# Altium PCB SkyLight.PcbDoc
Units mil, origin at the board's own origin, x right, y up, seen from the top; angles counter-clockwise.
Board outline 3400 x 3400 mil, 2 copper layers (Top Layer, Bottom Layer); 25 components, 18 nets, 95 pads, 3 vias.
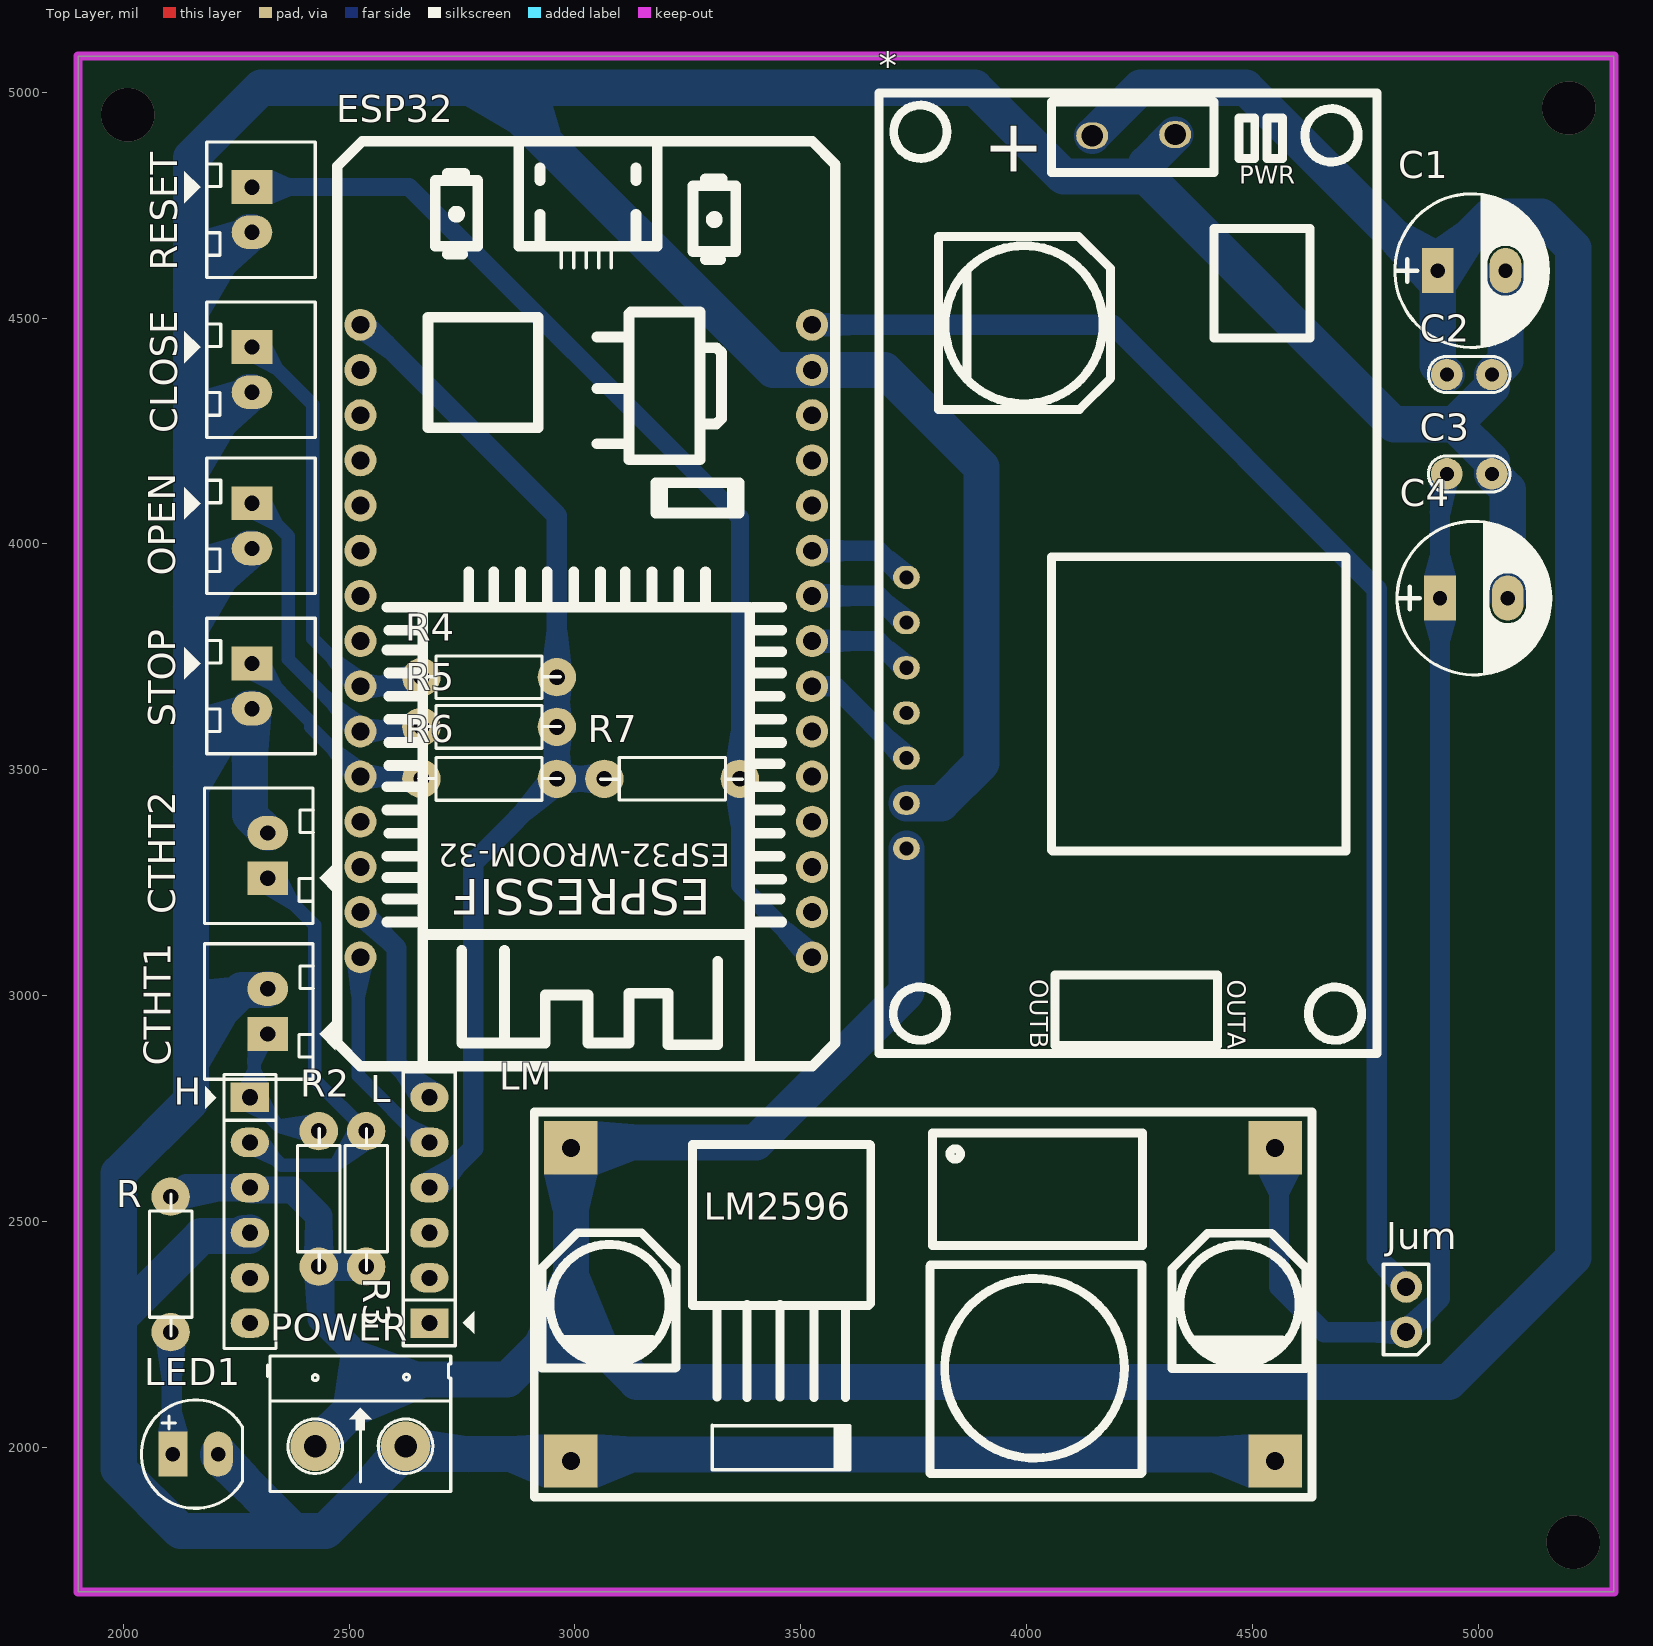
[diagram p0: Top Layer view]
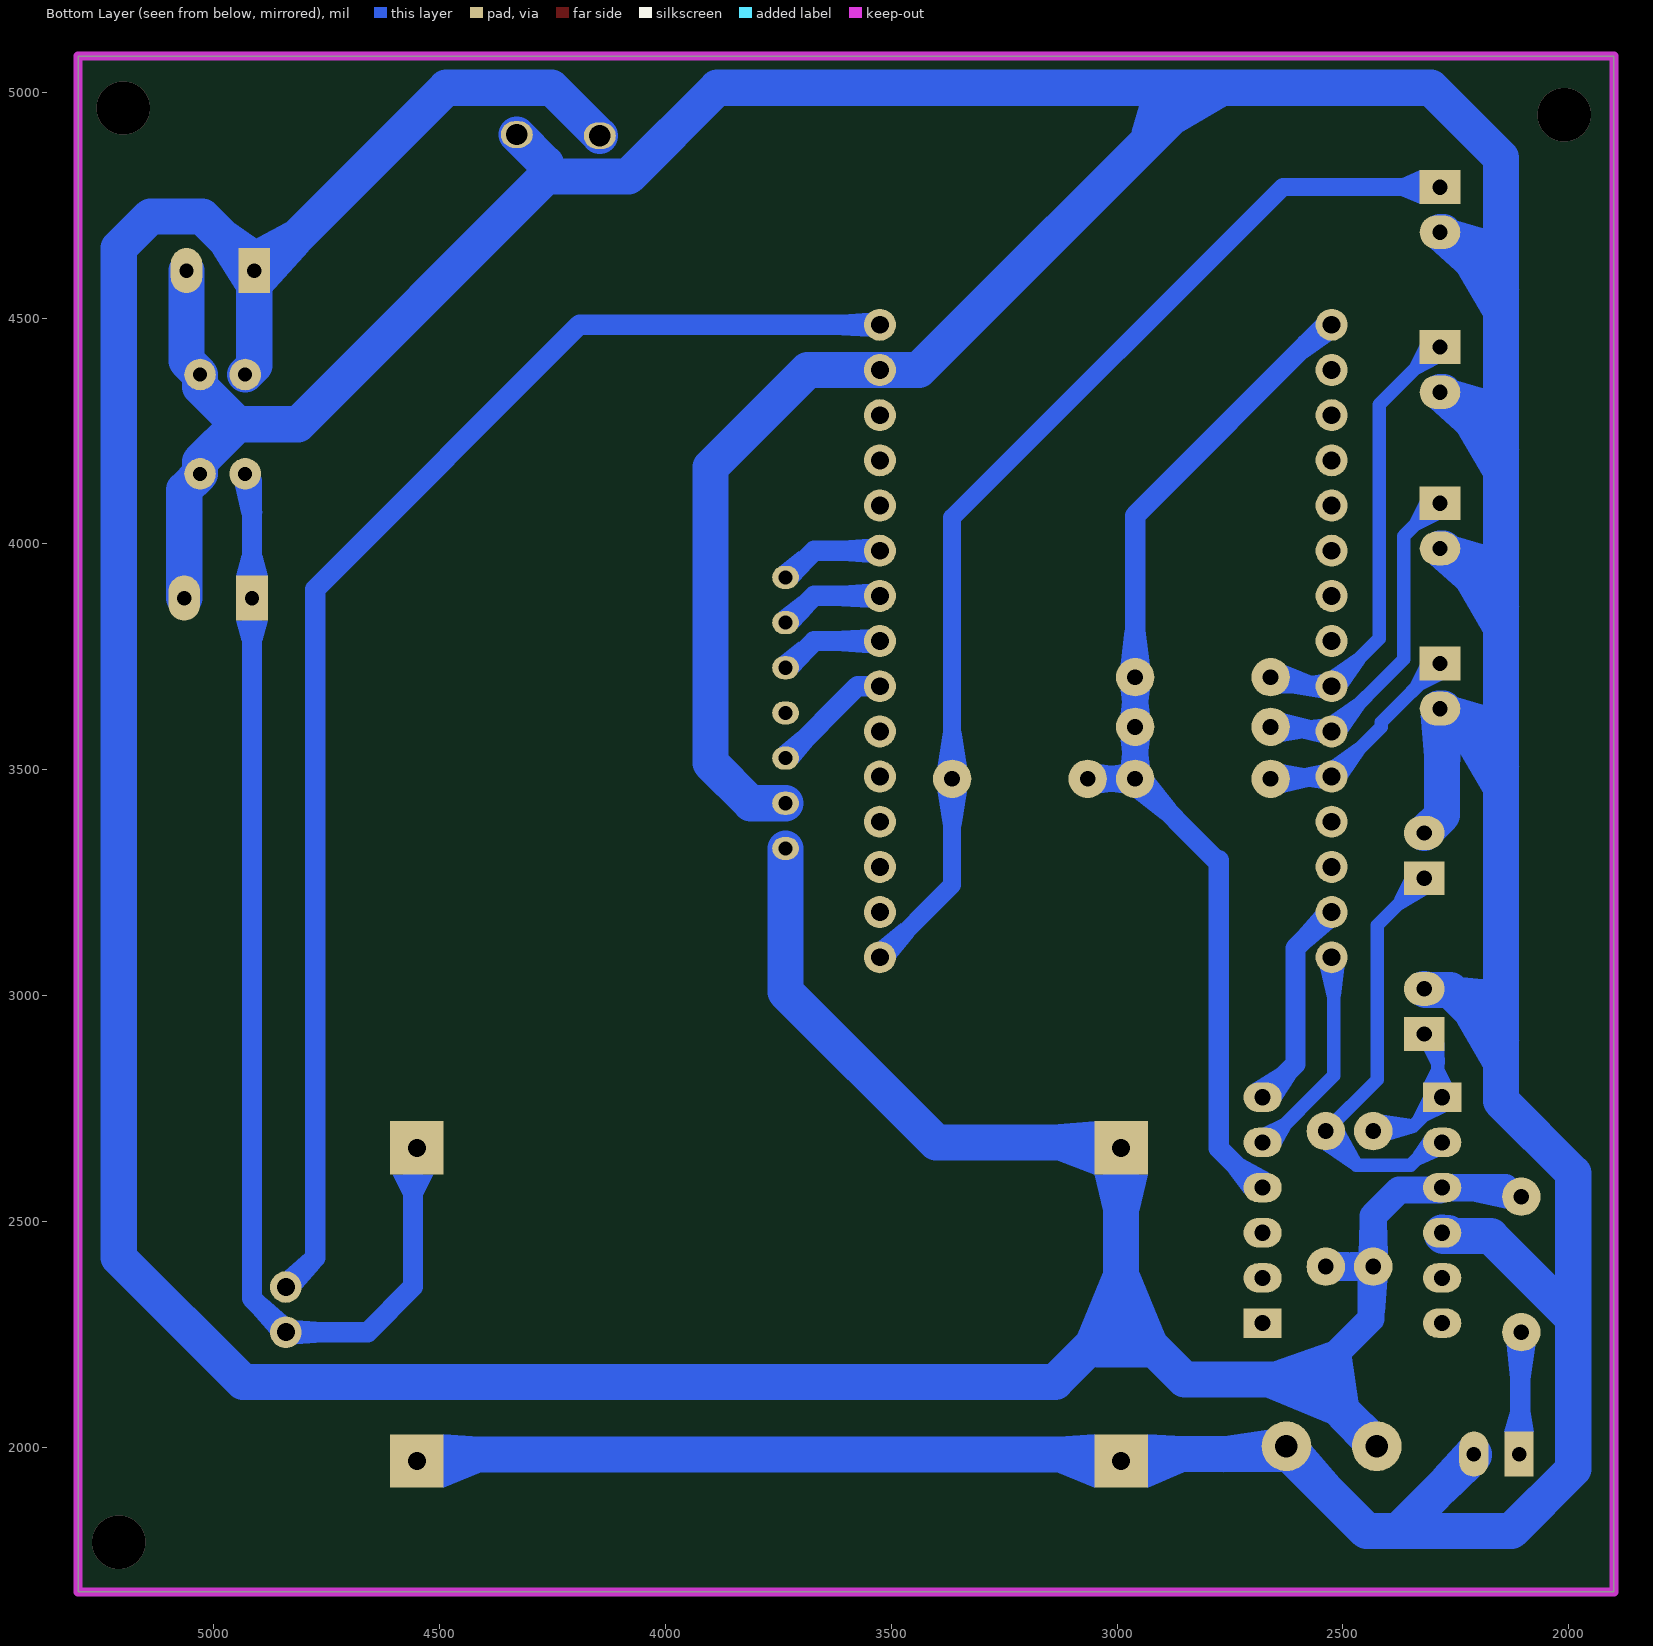
[diagram p1: Bottom Layer view, seen from below]
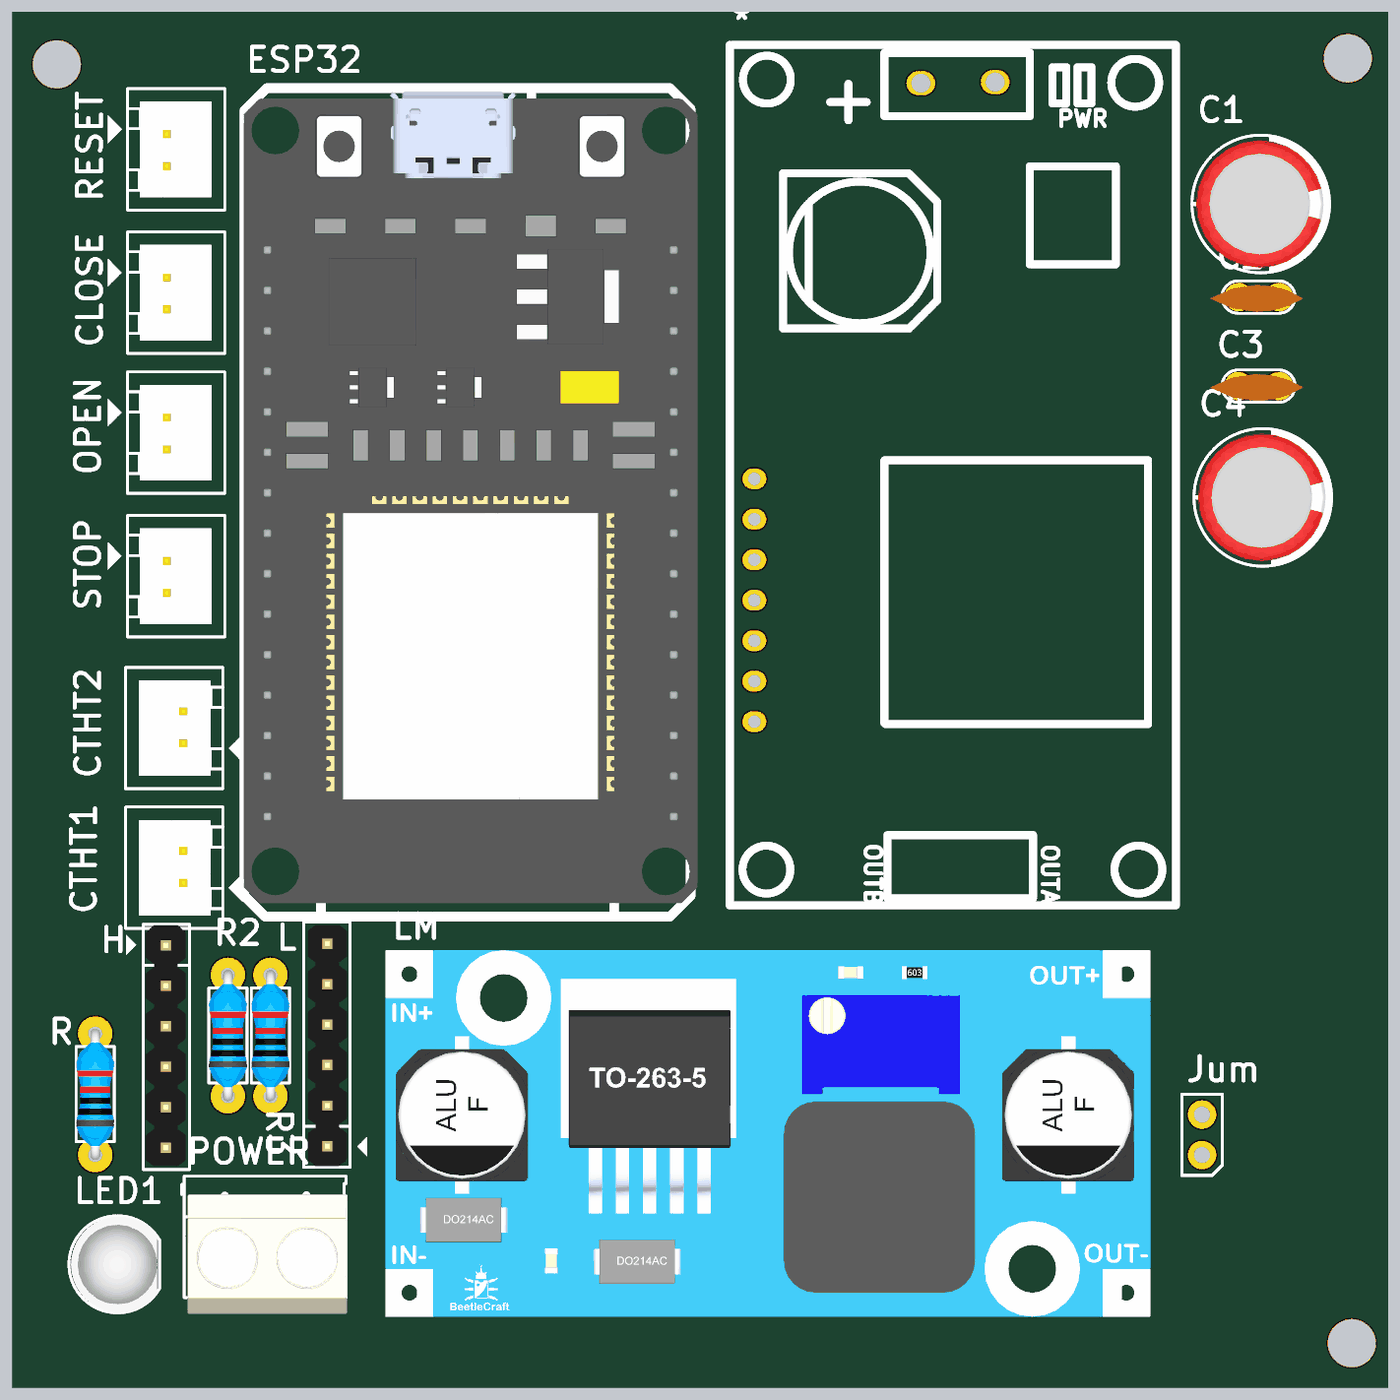
[diagram p2: 3D render of the assembled board from above, using the file's embedded part models]

## Layer stack, top to bottom
Top Solder: solder mask 0.4, Solder Resist, Dk 3.5
Top Layer: signal copper 1.4
Dielectric 1: dielectric 12.6, FR-4, Dk 4.8
Bottom Layer: signal copper 1.4
Bottom Solder: solder mask 0.4, Solder Resist, Dk 3.5

## Board outline
1900,1680 1900,5080 5300,5080 5300,1680

## Design rules (kind name [scope] priority, off if disabled: settings)
Clearance [All] p1: gap=10 ignorepadtopadclearanceinfootprint=FALSE except(0: Arc-Hole Track-Hole SMDPad-Hole THPad-Hole Via-Hole Fill-Hole Poly-Hole Region-Hole Text-Hole)
PolygonConnect [All] p1: connectstyle=Relief reliefconductorwidth=10 reliefentries=4 polygonreliefangle="90 Angle" airgapwidth=10
RoutingVias [All] p1: holewidth=28 width=50 viastyle="Through Hole" minholewidth=28 minwidth=50 maxholewidth=28 maxwidth=50
SolderMaskExpansion [All] p1: expansion=4
Width [All] p1: maxlimit=100 minlimit=10 preferedwidth=30 minimp=50.000000 maximp=50.000000 favimp=50.000000
30 further rules are at their usual default settings.

## Components (designator, comment, footprint, x,y, rotation, side; value= is the part's Value field where it differs from the comment)
* "VNH2SP30" VNH2SP30 4220,3935 r270 top
C1 "100uF/35V" CP1.5/3.4 4910,4605 r0 top value=100uF/35V/50V
C2 "100pF" CN1 5030,4375 r180 top
C3 "100pF" CN1 5030,4155 r180 top
C4 "100uF/35V" CP1.5/3.4 4915,3880 r0 top value=100uF/35V/50V
CLOSE "JP2" CON2 2285,4435.87 r270 top value="Connector 2"
CTHT1 "JP2" CON2 2320,2915 r90 top value="Connector 2"
CTHT2 "JP2" CON2 2320,3260 r90 top value="Connector 2"
ESP32 "ESP32-DEVKIT-V1-DOIT" ESP32-WROOM-32 3025,3785 r0 top
H "LG1" JP6 2280.36,2775.15 r270 top value=JP7
Jum "JP2" JP2-CLOSED 4840,2255 r180 top
L "LG2" JP6 2677.86,2275.15 r90 top value=JP7
LED1 "LED" LED-5-RED 2110,1985 r0 top value="LED 3 ly Single Colour"
LM "Mạch hạ áp" LM2596 3770.47,2316.46 r90 top
OPEN "JP2" CON2 2285,4090 r270 top value="Connector 2"
POWER "Header 2_1" HED2 2425,2002.5 r0 top value="Header 2"
R "1K" RES-1/4W-SMALL 2105,2395 r90 top
R2 "10K" RES-1/4W-SMALL 2432.86,2540.15 r90 top
R3 "10K" RES-1/4W-SMALL 2537.86,2540.15 r90 top
R4 "10K" RES-1/4W-SMALL 2820,3705 r180 top
R5 "10K" RES-1/4W-SMALL 2820,3595 r180 top
R6 "10K" RES-1/4W-SMALL 2820,3480 r180 top
R7 "10K" RES-1/4W-SMALL 3205,3480 r0 top
RESET "JP2" CON2 2285,4790 r270 top value="Connector 2"
STOP "JP2" CON2 2285,3735.43 r270 top value="Connector 2"

## Footprints (in the part's own frame and the unit in brackets; to place one, negate y for a bottom-side part, rotate by r counter-clockwise, add the part's x,y. Pads: shape width x height; smd on the part's side, far side on the other; paste and mask are expansions set on the pad)
CN1 [mil]
  round 70 hole 31: 1(0,0) 2(100,0)
  silkscreen extent -40,-40 141,40, body extent -60,-30 170,37, height 265
CON2 [mil] "CON2"
  rect 75x90 hole 34: 1(0,0)
  oval 75x90 hole 34: 2(100,0)
  silkscreen extent -100,-150 200,140, body extent -68,-70 168,107, height 236
CP1.5/3.4 [mil] "Tu hoa 220->470uF,16V, 470uF/16V,25V"
  rect 70x100 hole 32: 1(0,0)
  oval 70x100 hole 32: 2(150,0)
  silkscreen extent -95,-170 245,170, body extent -85,-157 230,157, height 446
ESP32-WROOM-32 [mm]
  round 1.8 hole 1: 1(-12.7,17.78) 2(-12.7,15.24) 3(-12.7,12.7) 4(-12.7,10.16) 5(-12.7,7.62) 6(-12.7,5.08) 7(-12.7,2.54) 8(-12.7,0) 9(-12.7,-2.54) 10(-12.7,-5.08) 11(-12.7,-7.62) 12(-12.7,-10.16) 13(-12.7,-12.7) 14(-12.7,-15.24) 15(-12.7,-17.78) 16(12.7,-17.78) 17(12.7,-15.24) 18(12.7,-12.7) 19(12.7,-10.16) 20(12.7,-7.62) 21(12.7,-5.08) 22(12.7,-2.54) 23(12.7,0) 24(12.7,2.54) 25(12.7,5.08) 26(12.7,7.62) 27(12.7,10.16) 28(12.7,12.7) 29(12.7,15.24) 30(12.7,17.78)
  silkscreen extent -14,-23.9 14,28.1, body extent -14.06,-23.06 14.44,27.87, height 10.72
HED2 [mil] "Header 2, 2 pin, hight 300mil, Pin to Pin 200, Colour Green"
  round 110 hole 50: 1(0,0) 2(200,0)
  silkscreen extent -106,-100 300,200, body extent -92,-140 302,155, height 394
JP2-CLOSED [mil]
  round 70 hole 40: 1(0,0) 2(0,-100)
  silkscreen extent -50,-150 50,50, body extent -50,-152 50,50, height 300
JP6 [mil] "JP6"
  rect 65x85 hole 36: 1(0,0)
  oval 65x85 hole 36: 2(100,0) 3(200,0) 4(300,0) 5(400,0) 6(500,0)
  silkscreen extent -50,-99 556,58, body extent -48,-50 548,48, height 323
LED-5-RED [mil] "LED 2 PIN, 5 ly , Only colour,pin to pin 100mil"
  rect 65x100 hole 32: 1(0,0)
  oval 65x100 hole 32: 2(100,0)
  silkscreen extent -70,-120 154,120, body extent -65,-119 149,118, height 339
LM2596 [mm]
  rect 3x3 hole 1: IN+(8.8,19.8) IN-(-8.8,19.8) OUT+(8.8,-19.8) OUT-(-8.8,-19.8)
  silkscreen extent -10.84,-21.88 10.82,21.86, body extent -11.7,-23.92 11.3,24.08, height 15.09
RES-1/4W-SMALL [mil]
  round 85 hole 35: 1(-140,0) 2(160,0)
  silkscreen extent -148,-47 166,47, body extent -152,-47 172,47, height 97
VNH2SP30 [mm]
  oval 1.3x1.5 hole 0.8: 1(0.232,-12.351) 2(2.772,-12.351) 3(5.312,-12.351) 4(7.852,-12.351) 5(10.392,-12.351) 6(12.932,-12.351) 7(15.472,-12.351)
  oval 1.5x1.8 hole 1.2: +(-24.6,-1.903) -(-24.669,2.764)
  silkscreen extent -27,-13.9 27,14.1, body extent -27.3,-14.09 27.3,13.91, height 14.3

## Part data
C1 C4: library part CP3, "Cap 100uF/35V - 470uF/16V", Description 1="1000uF/6,3V - 470uF/16V - 330uF - 25V", Description 2="220uF/35V - 100uF/50V - 63V - 4,7uF/200V", Description 3="22uF => 33uF100V - 3,3uF => 4,7uF/250V", Description 4="2,2uF =>3,3uF/350 - 2,2uF/400V - 1uF/450V"
C2 C3: library part CN1, "Cap np  1pF - 472pF"
CLOSE CTHT1 CTHT2 OPEN RESET STOP: library part Con2, "Connector 2"
H L: library part JP6, "JP6 PIN"
Jum: "WR-PHD 2.54 mm Angled Socket Header", Manufacturer="Würth Elektronik eiSos GmbH", partNo=613002143121, ComponentLink1 Description=Manufacturer, ComponentLink1URL=http://www.we-online.com, ComponentLink2 Description=Datasheet, ComponentLink2URL=http://katalog.we-online.de/em/datasheet/6130xx143121.pdf, Created by="Karrer Zheng", Created Date="29 March 2013", NoPins=02
LED1: "LED Single colour Green and Red"
LM: library part LM2596
POWER: "Header, 2-Pin", Manufacturer="Generic Components", Class=Connector
R R2 R3 R4 R5 R6 R7: library part Res, "Res", Manufacturer="Generic Components", Class=Passive, Published=08/06/2000, Publisher="Altium Hobart Technology Centre", SubClass=R

## Via types
v1: diameter 118.11, hole 118.11, Top Layer to Bottom Layer, 3 vias

## Nets (pads, with @x,y where several pads share a name; then routed paths per layer and width w, separated by ;. In a path a pad name is that pad's centre, name@x,y a point inside that pad or via, vN(x,y) a via of type N, cw(c..) or ccw(c..) an arc to the next point about the centre after c; other vN are vias at no path point)
+3.3: ESP32.1 L.4 R4.1 R5.1 R6.1 R7.1 | length 2323.3
  Bottom Layer w35: L.4 L.4@2687.86,2575.15
  Bottom Layer w45: ESP32.1 2537.93,4485 2960,4062.93 R4.1 R5.1 R6.1 ; L.4@2687.86,2575.15 2775,2662.29 2775,3300 ; 2780,3300 R6.1 ; R7.1 R6.1
+5: C3.2 C4.1 Jum.1 LM.OUT+ | length 2571.3
  Bottom Layer w45: LM.OUT+ 4558.64,2654.27 4558.64,2355.41 4659.06,2255 Jum.1 4915,2330 4915,2515 4915,3607.74 C4.1 4915,4140 C3.2
+12: *.7 *.+ C1.1 C2.2 H.3 LM.IN+ POWER.1 R2.1 R3.1 R.2 | length 9368.4
  Bottom Layer w60: R.2 2119.88,2555 2140.03,2575.15 H.3 2285.51,2570 2375.36,2570 2432.86,2512.5 R2.1 ; R3.1 R2.1 ; 2572.5,2150 2437.65,2284.85 2437.65,2395.36 R2.1
  Bottom Layer w80: POWER.1 2572.5,2150 2850,2150 2990.94,2290.94 ; *.7 3733.74,3008.31 3400.43,2675 3003.03,2675 LM.IN+ 2990.94,2290.94 ; *.+ 4251.58,5010 4485,5010 4890,4605 C1.1 4910,4395 C2.2 ; C1.1@4910,4610 5025,4725 5140,4725 5210,4655 5210,2420 4935,2145 3136.89,2145 2990.94,2290.94
CLOSE: ESP32.10 OPEN.1 R5.2 | length 747.9
  Bottom Layer w30: OPEN.1 2292.5,4090 2365,4017.5 2365,3745 ESP32.10 2530,3590 2655,3590 R5.2
CT1: CTHT1.1 H.1 R2.2 | length 344.2
  Bottom Layer w30: CTHT1.1 2312.5,2915 2290,2892.5 2290,2784.79 H.1 2344.59,2710.92 2413.35,2710.92 2424.12,2700.15 R2.2
CT1_2: ESP32.14 L.6 | length 474.3
  Bottom Layer w45: ESP32.14 2605,3105 2605,2848.01 2662.12,2790.89 2662.12,2789.01 2675.98,2775.15 L.6
CT2: CTHT2.1 H.2 R3.2 | length 968.2
  Bottom Layer w30: H.2 2299.67,2675.15 2349.82,2625 2470,2625 2537.86,2692.86 R3.2 2424.12,2813.89 2424.12,3155.88 2350,3230 2350,3237.5 2327.5,3260 CTHT2.1
CT2_2: ESP32.15 L.5 | length 483.2
  Bottom Layer w30: ESP32.15 2520,3080 2520,2823.01 2667.86,2675.15 L.5
EN: *.5 ESP32.22 | length 274.7
  Bottom Layer w45: ESP32.22 3574.61,3685 *.5
GND: *.6 *.- C1.2 C2.1 C3.1 C4.2 CLOSE.2 CTHT1.2 CTHT2.2 ESP32.29 H.4 LED1.2 LM.IN- LM.OUT- OPEN.2 POWER.2 RESET.2 STOP.2 | length 13967.5
  Bottom Layer w80: LED1.2 2210,1982.5 2377.5,1815 ; H.4@2266.88,2474.19 2279.41,2474.19 H.4 2280.36,2470.15 2277.86,2467.65 2172.65,2467.65 1990,2285 ; OPEN.2 2277.5,3990 2150,3862.5 ; CLOSE.2 2277.5,4335.87 2150,4208.37 ; RESET.2 2277.5,4690 2150,4562.5 ; CTHT1.2 2317.13,3012.13 2262.49,3012.13 2150,2899.64 ; CTHT2.2 2280.36,3399.64 2280.36,3627.35 2288.44,3635.43 STOP.2 2277.5,3635.43 2150,3507.93 ; *.6 3810.87,3425.87 3900,3515 3900,4170 3685,4385 ESP32.29 3438.75,4385 2813.75,5010 ; *.- 4264.41,4841.82 4264.41,4813.5 ; LM.OUT-@4545,1983.85 2985.94,1983.85 2975.94,1985 2642.5,1985 POWER.2 2625,1992.14 2447.86,1815 2377.5,1815 ; C1.2 5060,4405 C2.1 5030,4347.72 4947.28,4265 ; C4.2 5065,4120 C3.1 5030,4182.28 4947.28,4265 ; 1990,2285 1990,2606.97 2150,2766.97 2150,2899.64 ; 1990,2285 1990,1951.79 2126.79,1815 2377.5,1815 ; 2150,2899.64 2150,3507.93 ; 2150,3507.93 2150,3862.5 ; 2150,3862.5 2150,4208.37 ; 2150,4208.37 2150,4562.5 ; 2150,4562.5 2150,4855 2305,5010 2813.75,5010 ; 2813.75,5010 3885,5010 4081.5,4813.5 4264.41,4813.5 ; 4264.41,4813.5 4812.91,4265 4947.28,4265
INA: *.3 ESP32.23 | length 233.2
  Bottom Layer w45: ESP32.23 3670.67,3785 3729.8,3725.87 *.3
INB: *.2 ESP32.24 | length 233.2
  Bottom Layer w45: ESP32.24 3670.67,3885 3729.8,3825.87 *.2
NetESP32_30: ESP32.30 Jum.2 | length 3064.2
  Bottom Layer w45: ESP32.30 4190,4485 4775,3900 4775,3070.13 4775,2420 Jum.2
NetLED1_1: LED1.1 R.1 | length 272.1
  Bottom Layer w30: R.1 R.1@2107.5,2252.5 ; LED1.1@2107.5,1987.5 LED1.1
  Bottom Layer w45: LED1.1@2107.5,1987.5 R.1@2107.5,2252.5
OPEN: CLOSE.1 ESP32.9 R4.2 | length 998
  Bottom Layer w30: CLOSE.1 2292.5,4435.87 2420,4308.37 2420,3790 ESP32.9 2626.47,3685 2646.47,3705 R4.2
PWM: *.1 ESP32.25 | length 233.2
  Bottom Layer w45: ESP32.25 3670.67,3985 3729.8,3925.87 *.1
RE: ESP32.16 R7.2 RESET.1 | length 2422.4
  Bottom Layer w40: RESET.1 2632.93,4790 3365,4057.93 R7.2 3365,3245 ESP32.16
STOP: ESP32.11 R6.2 STOP.1 | length 486.9
  Bottom Layer w30: STOP.1 2415.32,3605.11 2415.32,3594.68 ESP32.11 2527.5,3482.5 2657.5,3482.5 R6.2
pads on no net: *.4 ESP32.2 ESP32.3 ESP32.4 ESP32.5 ESP32.6 ESP32.7 ESP32.8 ESP32.12 ESP32.13 ESP32.17 ESP32.18 ESP32.19 ESP32.20 ESP32.21 ESP32.26 ESP32.27 ESP32.28 H.5 H.6 L.1 L.2 L.3
copper on no net:
  other v1: 5210,1790 2010,4950 5200,4965

## Keep-outs
Keep-Out Layer:
  the board outline again, w20

## Text inside footprints (layer, text, board x,y; h text height)
*: Top Overlay "+" at 3920.14,4942.88 h118.11 r270; Top Overlay "OUTA" at 4444.82,3034.9 h39.37 r270; Top Overlay "OUTB" at 4007.42,3036.78 h39.37 r270; Top Overlay "PWR" at 4470.34,4796.81 h39.37; Mechanical 2 "PWR" at 4466.21,4796.81 h39.37; Mechanical 2 "+" at 3916,4942.88 h118.11 r270; Mechanical 2 "OUTB" at 4003.29,3036.78 h39.37 r270; Mechanical 2 "OUTA" at 4440.69,3034.9 h39.37 r270
ESP32: Top Overlay "ESPRESSIF" at 3300.59,3257.44 h78.74 r180; Top Overlay "ESP32-WROOM-32" at 3343.9,3336.18 h51.18 r180; Mechanical 2 "ESP32-WROOM-32" at 3343.9,3336.18 h51.18 r180; Mechanical 2 "ESPRESSIF" at 3300.59,3257.44 h78.74 r180
LM: Top Overlay "LM2596" at 3284.65,2504.25 h60; Mechanical 2 "LM2596" at 3282.68,2505.83 h60